# Altium PCB Plate.PcbDoc
Units mil, origin at the board's own origin, x right, y up, seen from the top; angles counter-clockwise.
Board outline 5245.11 x 4724.41 mil, 2 copper layers (Top Layer, Bottom Layer); 6 components, 2 nets, 24 pads, 0 vias.
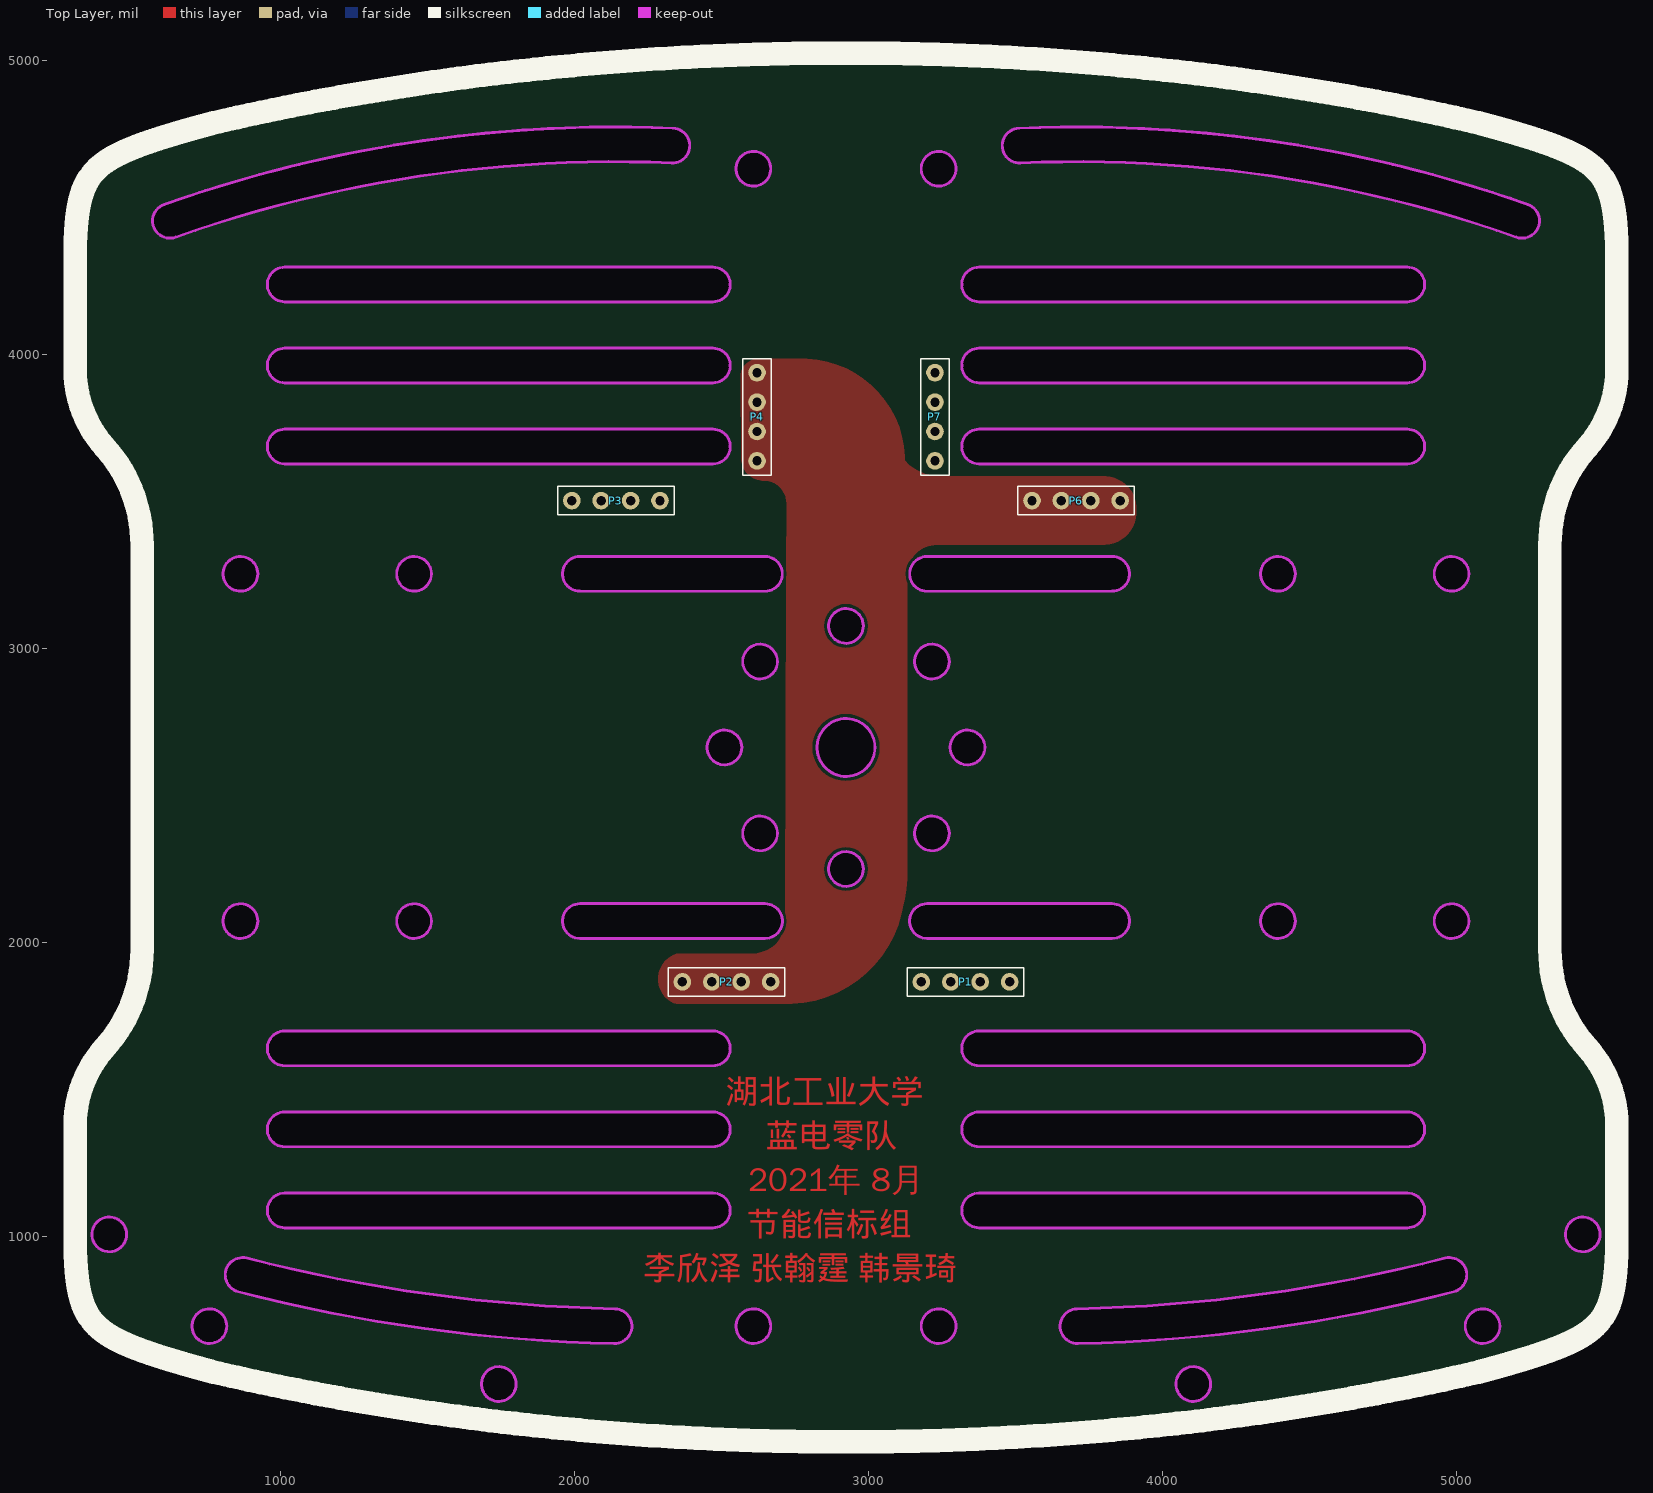
[diagram p0: Top Layer view]
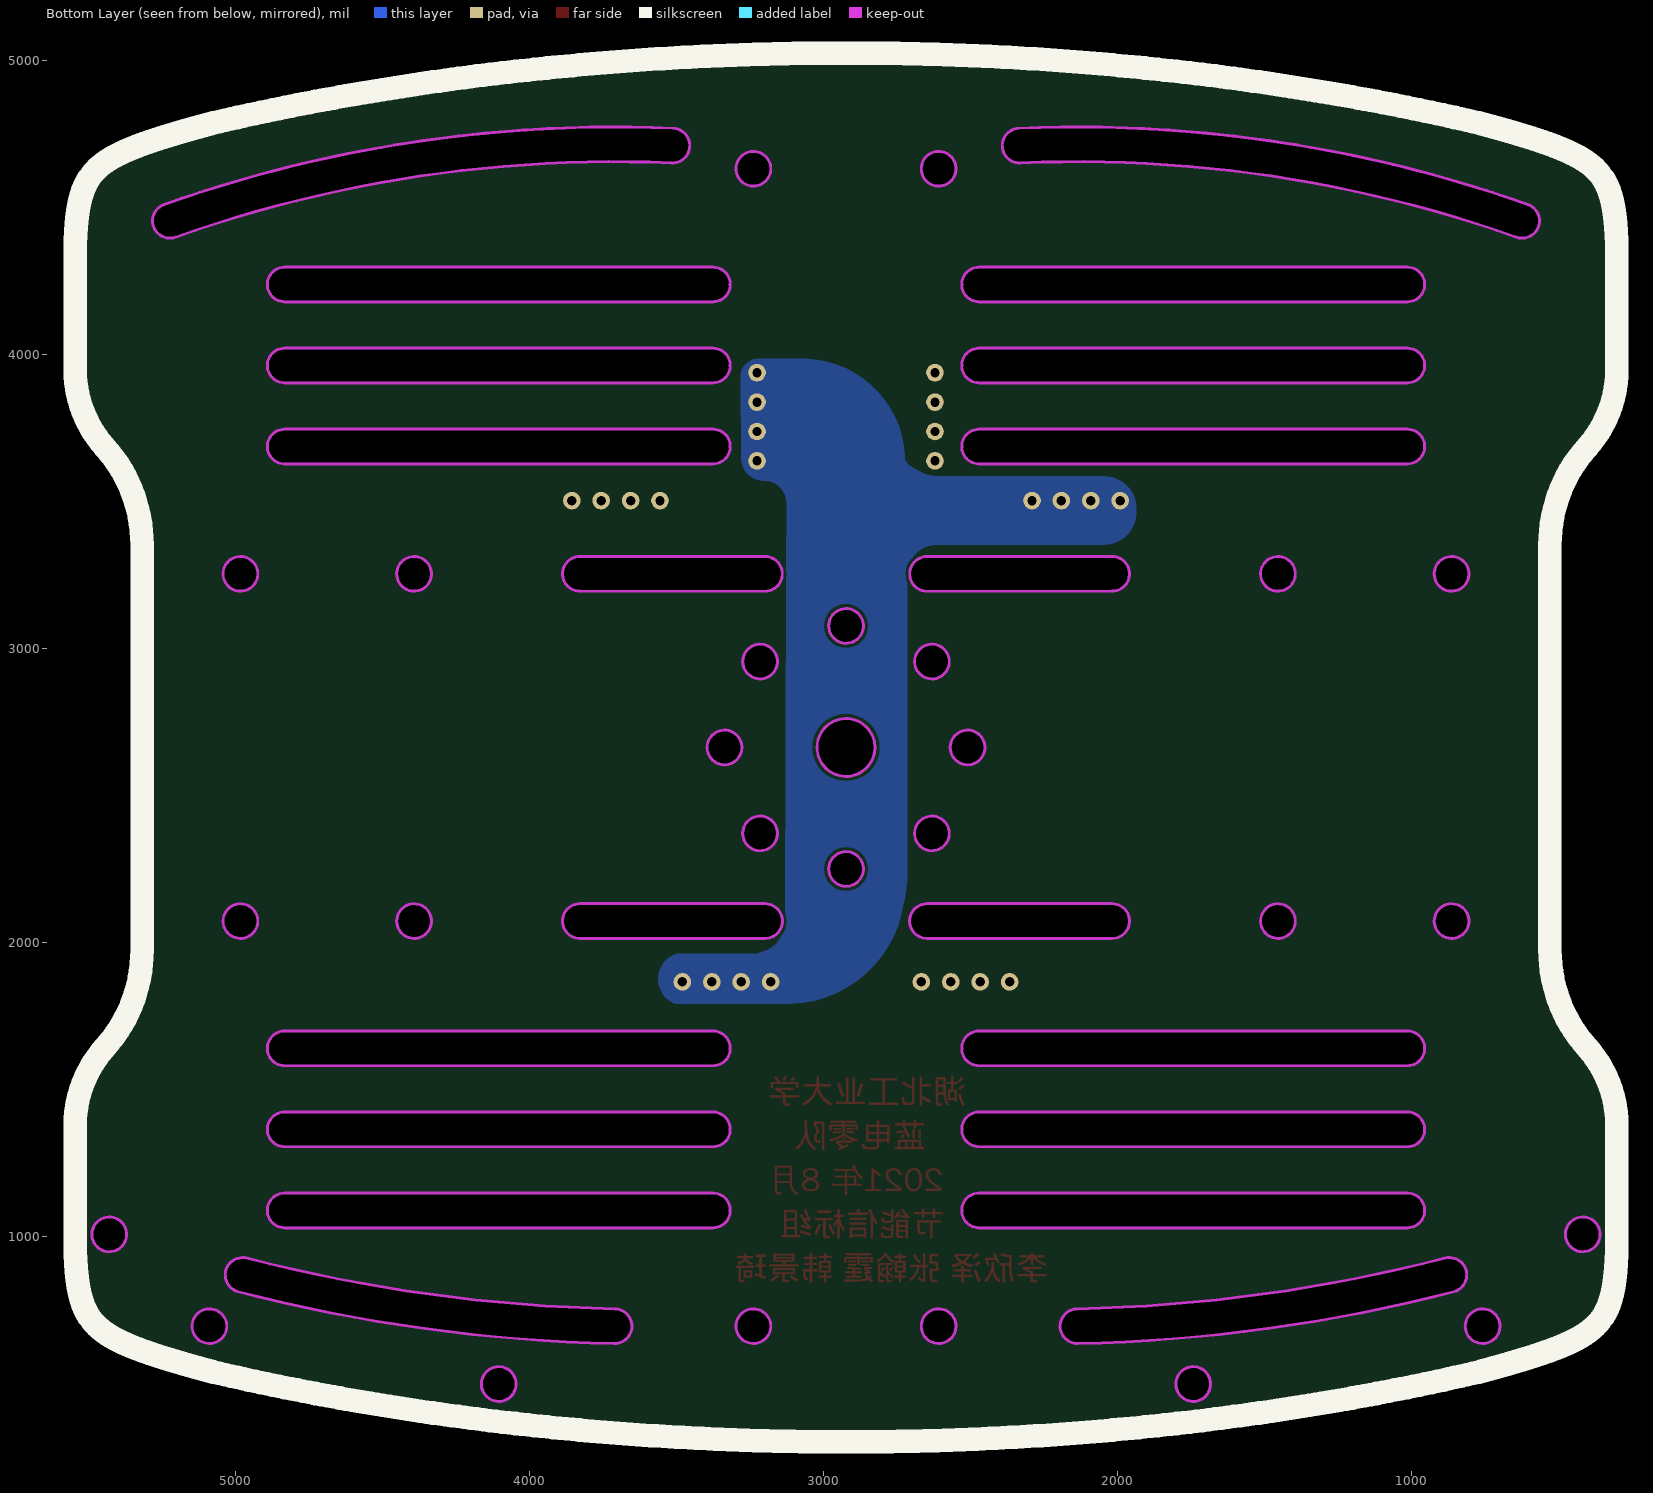
[diagram p1: Bottom Layer view, seen from below]
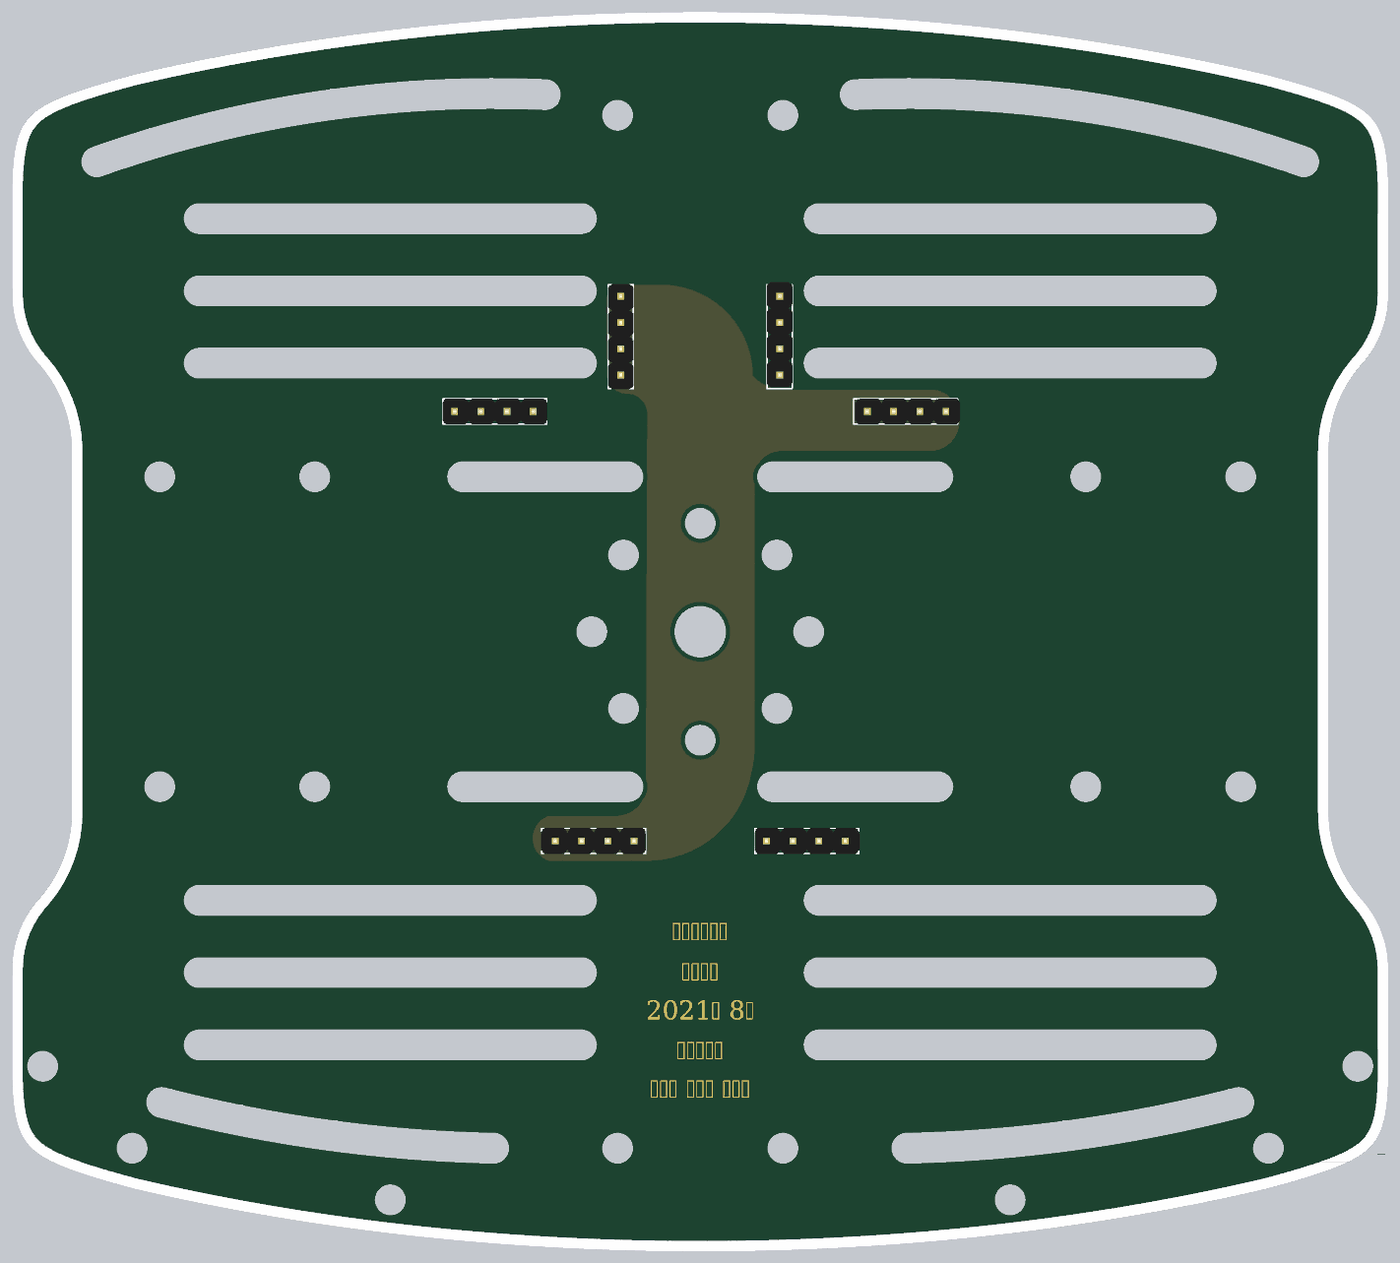
[diagram p2: 3D render of the assembled board from above, using the file's embedded part models]

## Layer stack, top to bottom
Top Solder: solder mask 0.4, Solder Resist, Dk 3.5
Top Layer: signal copper 1.4
Dielectric 1: dielectric 12.6, FR-4, Dk 4.8
Bottom Layer: signal copper 1.4
Bottom Solder: solder mask 0.4, Solder Resist, Dk 3.5

## Board outline
2373 vertices, not listed, extent 300.25,300.25 5545.36,5024.66
cut-out: 3515.92,4650.7 cw(c3710.2,188.11) 5202.85,4398.15 ccw(c5222.58,4453.81) 5242.32,4509.47 ccw(c3710.2,188.11) 3510.79,4768.7 ccw(c3513.35,4709.7)
cut-out: 642.76,4398.15 cw(c623.02,4453.81) 603.29,4509.47 cw(c2135.4,188.11) 2334.82,4768.7 cw(c2332.25,4709.7) 2329.68,4650.7 ccw(c2135.4,188.11)
cut-out: 3237.76,4571.9 cw(c3237.76,4630.96) 3178.71,4630.96 cw(c3237.76,4630.96) 3237.76,4690.01 cw(c3237.76,4630.96) 3296.82,4630.96 cw(c3237.76,4630.96)
cut-out: 2607.84,4571.9 cw(c2607.84,4630.96) 2548.79,4630.96 cw(c2607.84,4630.96) 2607.84,4690.01 cw(c2607.84,4630.96) 2666.9,4630.96 cw(c2607.84,4630.96)
cut-out: 1013.35,3627.02 2470.05,3627.02 ccw(c2470.05,3686.08) 2470.05,3745.13 1013.35,3745.13 ccw(c1013.35,3686.08)
cut-out: 1013.35,3902.61 cw(c1013.35,3961.67) 1013.35,4020.72 2470.05,4020.72 cw(c2470.05,3961.67) 2470.05,3902.61
cut-out: 1013.35,4178.2 cw(c1013.35,4237.26) 1013.35,4296.31 2470.05,4296.31 cw(c2470.05,4237.26) 2470.05,4178.2
cut-out: 3375.56,4178.2 4832.25,4178.2 ccw(c4832.25,4237.26) 4832.25,4296.31 3375.56,4296.31 ccw(c3375.56,4237.26)
cut-out: 3375.56,3902.61 cw(c3375.56,3961.67) 3375.56,4020.72 4832.25,4020.72 cw(c4832.25,3961.67) 4832.25,3902.61
cut-out: 3375.56,3627.02 4832.25,3627.02 ccw(c4832.25,3686.08) 4832.25,3745.13 3375.56,3745.13 ccw(c3375.56,3686.08)
cut-out: 2630.5,2895.71 cw(c2630.5,2954.76) 2571.44,2954.76 cw(c2630.5,2954.76) 2630.5,3013.82 cw(c2630.5,2954.76) 2689.55,2954.76 cw(c2630.5,2954.76)
cut-out: 2509.42,2603.4 cw(c2509.42,2662.45) 2450.36,2662.45 cw(c2509.42,2662.45) 2509.42,2721.51 cw(c2509.42,2662.45) 2568.47,2662.45 cw(c2509.42,2662.45)
cut-out: 2571.44,2370.15 ccw(c2630.5,2370.15) 2630.5,2311.09 ccw(c2630.5,2370.15) 2689.55,2370.15 ccw(c2630.5,2370.15) 2630.5,2429.2 ccw(c2630.5,2370.15)
cut-out: 2824.38,2662.45 ccw(c2922.8,2662.45) 2922.8,2564.03 ccw(c2922.8,2662.45) 3021.23,2662.45 ccw(c2922.8,2662.45) 2922.8,2760.88 ccw(c2922.8,2662.45)
cut-out: 3156.06,2370.15 ccw(c3215.11,2370.15) 3215.11,2311.09 ccw(c3215.11,2370.15) 3274.17,2370.15 ccw(c3215.11,2370.15) 3215.11,2429.2 ccw(c3215.11,2370.15)
cut-out: 2863.75,2249.07 ccw(c2922.8,2249.07) 2922.8,2190.01 ccw(c2922.8,2249.07) 2981.86,2249.07 ccw(c2922.8,2249.07) 2922.8,2308.12 ccw(c2922.8,2249.07)
cut-out: 2922.8,3016.78 cw(c2922.8,3075.84) 2863.75,3075.84 cw(c2922.8,3075.84) 2922.8,3134.89 cw(c2922.8,3075.84) 2981.86,3075.84 cw(c2922.8,3075.84)
cut-out: 3156.06,2954.76 ccw(c3215.11,2954.76) 3215.11,2895.71 ccw(c3215.11,2954.76) 3274.17,2954.76 ccw(c3215.11,2954.76) 3215.11,3013.82 ccw(c3215.11,2954.76)
cut-out: 3277.13,2662.45 ccw(c3336.19,2662.45) 3336.19,2603.4 ccw(c3336.19,2662.45) 3395.24,2662.45 ccw(c3336.19,2662.45) 3336.19,2721.51 ccw(c3336.19,2662.45)
cut-out: 4923.59,3253.01 ccw(c4982.65,3253.01) 4982.65,3193.95 ccw(c4982.65,3253.01) 5041.7,3253.01 ccw(c4982.65,3253.01) 4982.65,3312.06 ccw(c4982.65,3253.01)
cut-out: 4333.04,3253.01 ccw(c4392.09,3253.01) 4392.09,3193.95 ccw(c4392.09,3253.01) 4451.15,3253.01 ccw(c4392.09,3253.01) 4392.09,3312.06 ccw(c4392.09,3253.01)
cut-out: 3198.5,3193.78 cw(c3198.49,3252.84) 3198.47,3311.89 3828.3,3312.06 cw(c3828.32,3253.01) 3828.33,3193.95
cut-out: 2017.28,3193.95 2647.1,3193.78 ccw(c2647.12,3252.84) 2647.13,3311.89 2017.31,3312.06 ccw(c2017.29,3253.01)
cut-out: 862.96,3193.95 cw(c862.96,3253.01) 803.91,3253.01 cw(c862.96,3253.01) 862.96,3312.06 cw(c862.96,3253.01) 922.02,3253.01 cw(c862.96,3253.01)
cut-out: 1453.51,3193.95 cw(c1453.51,3253.01) 1394.46,3253.01 cw(c1453.51,3253.01) 1453.51,3312.06 cw(c1453.51,3253.01) 1512.57,3253.01 cw(c1453.51,3253.01)
cut-out: 1453.51,2012.85 cw(c1453.51,2071.9) 1394.46,2071.9 cw(c1453.51,2071.9) 1453.51,2130.96 cw(c1453.51,2071.9) 1512.57,2071.9 cw(c1453.51,2071.9)
cut-out: 862.96,2012.85 cw(c862.96,2071.9) 803.91,2071.9 cw(c862.96,2071.9) 862.96,2130.96 cw(c862.96,2071.9) 922.02,2071.9 cw(c862.96,2071.9)
cut-out: 2017.29,2012.85 cw(c2017.29,2071.9) 2017.29,2130.96 2647.21,2130.96 cw(c2647.21,2071.9) 2647.21,2012.85
cut-out: 3198.39,2012.85 3828.32,2012.85 ccw(c3828.32,2071.9) 3828.32,2130.96 3198.39,2130.96 ccw(c3198.39,2071.9)
cut-out: 4333.04,2071.9 ccw(c4392.09,2071.9) 4392.09,2012.85 ccw(c4392.09,2071.9) 4451.15,2071.9 ccw(c4392.09,2071.9) 4392.09,2130.96 ccw(c4392.09,2071.9)
cut-out: 4923.59,2071.9 ccw(c4982.65,2071.9) 4982.65,2012.85 ccw(c4982.65,2071.9) 5041.7,2071.9 ccw(c4982.65,2071.9) 4982.65,2130.96 ccw(c4982.65,2071.9)
cut-out: 3375.56,1579.78 cw(c3375.56,1638.83) 3375.56,1697.89 4832.25,1697.89 cw(c4832.25,1638.83) 4832.25,1579.78
cut-out: 3375.56,1304.19 cw(c3375.56,1363.24) 3375.56,1422.3 4832.25,1422.3 cw(c4832.25,1363.24) 4832.25,1304.19
cut-out: 3375.56,1028.6 cw(c3375.56,1087.65) 3375.56,1146.71 4832.25,1146.71 cw(c4832.25,1087.65) 4832.25,1028.6
cut-out: 5369.82,1006.2 ccw(c5428.88,1006.2) 5428.88,947.14 ccw(c5428.88,1006.2) 5487.93,1006.2 ccw(c5428.88,1006.2) 5428.88,1065.25 ccw(c5428.88,1006.2)
cut-out: 5029.1,693.95 ccw(c5088.16,693.95) 5088.16,634.9 ccw(c5088.16,693.95) 5147.21,693.95 ccw(c5088.16,693.95) 5088.16,753.01 ccw(c5088.16,693.95)
cut-out: 4044.85,497.1 ccw(c4103.91,497.1) 4103.91,438.04 ccw(c4103.91,497.1) 4162.96,497.1 ccw(c4103.91,497.1) 4103.91,556.15 ccw(c4103.91,497.1)
cut-out: 3711.45,634.91 cw(c3710.2,693.95) 3708.96,752.99 ccw(c3593.72,6221.2) 4960.61,925.33 cw(c4975.37,868.15) 4990.13,810.97 cw(c3593.73,6221.19)
cut-out: 3178.71,693.95 ccw(c3237.76,693.95) 3237.76,634.89 ccw(c3237.76,693.95) 3296.82,693.95 ccw(c3237.76,693.95) 3237.76,753.01 ccw(c3237.76,693.95)
cut-out: 1013.35,1579.78 2470.05,1579.78 ccw(c2470.05,1638.83) 2470.05,1697.89 1013.35,1697.89 ccw(c1013.35,1638.83)
cut-out: 1013.35,1304.19 cw(c1013.35,1363.24) 1013.35,1422.3 2470.05,1422.3 cw(c2470.05,1363.24) 2470.05,1304.19
cut-out: 1013.35,1028.6 cw(c1013.35,1087.65) 1013.35,1146.71 2470.05,1146.71 cw(c2470.05,1087.65) 2470.05,1028.6
cut-out: 855.48,810.97 ccw(c2251.88,6221.19) 2134.16,634.91 ccw(c2135.4,693.95) 2136.65,752.99 cw(c2251.88,6221.19) 885,925.33 ccw(c870.24,868.15)
cut-out: 2548.79,693.95 ccw(c2607.84,693.95) 2607.84,634.89 ccw(c2607.84,693.95) 2666.9,693.95 ccw(c2607.84,693.95) 2607.84,753.01 ccw(c2607.84,693.95)
cut-out: 1682.65,497.1 ccw(c1741.7,497.1) 1741.7,438.04 ccw(c1741.7,497.1) 1800.76,497.1 ccw(c1741.7,497.1) 1741.7,556.15 ccw(c1741.7,497.1)
cut-out: 416.73,947.14 cw(c416.73,1006.2) 357.68,1006.2 cw(c416.73,1006.2) 416.73,1065.25 cw(c416.73,1006.2) 475.79,1006.2 cw(c416.73,1006.2)
cut-out: 698.39,693.95 ccw(c757.45,693.95) 757.45,634.89 ccw(c757.45,693.95) 816.5,693.95 ccw(c757.45,693.95) 757.45,753.01 ccw(c757.45,693.95)

## Design rules (kind name [scope] priority, off if disabled: settings)
Clearance [All] p1: gap=10 ignorepadtopadclearanceinfootprint=TRUE except(0: Arc-Hole Track-Hole SMDPad-Hole THPad-Hole Via-Hole Fill-Hole Poly-Hole Region-Hole Text-Hole)
PolygonConnect [All] p1: connectstyle=Direct reliefconductorwidth=10 reliefentries=4 polygonreliefangle="90 Angle" airgapwidth=10
RoutingVias [All] p1: holewidth=28 width=50 viastyle="Through Hole" minholewidth=28 minwidth=50 maxholewidth=28 maxwidth=50
SolderMaskExpansion [All] p1: expansion=4 istentingtop=FALSE
Width [All] p1: maxlimit=10 minlimit=10 preferedwidth=10
30 further rules are at their usual default settings.

## Classes and differential pairs
component class Ver.4_Plate: P1 P2 P3 P4

## Components (designator, comment, footprint, x,y, rotation, side; value= is the part's Value field where it differs from the comment)
P1 "HDR1x4_2.54" HDR_1X4#1 3179.29,1865 r90 top locked
P2 "HDR1x4_2.54" HDR_1X4#1 2666.35,1865 r270 top locked
P3 "HDR1x4_2.54" HDR_1X4#1 1990.1,3502.2 r90 top locked
P4 "HDR1x4_2.54" HDR_1X4#1 2620.1,3937.2 r0 top locked
P6 "HDR1x4_2.54" HDR_1X4#2 3855.51,3502.2 r90 top locked (schematic designator P3)
P7 "HDR1x4_2.54" HDR_1X4#2 3225.51,3937.2 r180 top locked (schematic designator P4)

## Footprints (in the part's own frame and the unit in brackets; to place one, negate y for a bottom-side part, rotate by r counter-clockwise, add the part's x,y. Pads: shape width x height; smd on the part's side, far side on the other; paste and mask are expansions set on the pad)
HDR_1X4#1 [mil] "HDR_1X4_2.54_180"
  round 60 hole 32: 1(0,0) 2(0,-100) 3(0,-200) 4(0,-300)
  silkscreen extent -48,-348 48,48, body extent -49,-350 49,50, height 323
HDR_1X4#2 [mil] "HDR_1X4_2.54_180"
  round 60 hole 32: 1(0,0) 2(0,100) 3(0,200) 4(0,300)
  silkscreen extent -48,-48 48,348, body extent -49,-58 49,342, height 323

## Part data
P1 P2 P3 P4 P6 P7: "Header"

## Nets (pads, with @x,y where several pads share a name; then routed paths per layer and width w, separated by ;. In a path a pad name is that pad's centre, name@x,y a point inside that pad or via, vN(x,y) a via of type N, cw(c..) or ccw(c..) an arc to the next point about the centre after c; other vN are vias at no path point)
GND: P1.1 P1.2 P1.3 P1.4 P3.1 P3.2 P3.3 P3.4 P7.1 P7.2 P7.3 P7.4
VCC: P2.1 P2.2 P2.3 P2.4 P4.1 P4.2 P4.3 P4.4 P6.1 P6.2 P6.3 P6.4

## Polygon pours and split planes (outlines as drawn)
VCC on Top Layer "NONET_L-01_P-001" (solid, pour order 3): 2725.61,3749.5 2725.61,2089.2 cw(c2596.41,2089.2) 2596.41,1960 2345.16,1960 ccw(c2374.31,1875) 2345.16,1790 2688.58,1790 ccw(c2688.59,2232.02) 3130.61,2232.03 3130.61,3250.4 cw(c3231.64,3250.4) 3231.64,3351.43 3797.62,3351.43 ccw(c3797.62,3464.42) 3910.61,3464.42 3910.61,3475 ccw(c3800.61,3475) 3800.61,3585 3242.56,3585 cw(c3242.56,3745.61) 3081.95,3745.2
VCC on Top Layer "NONET_L-01_P-001" (solid, pour order 0): 2564.89,3924.77 2566.74,3646.42 ccw(c2643.68,3646.93) 2643.68,3570 cw(c2643.68,3493.14) 2720.54,3492.85 2715.35,2074.53 cw(c2595.26,2074.96) 2595.25,1954.87 2379.27,1954.87 ccw(c2379.27,1870.31) 2294.7,1870.3 ccw(c2375,1870.3) 2375,1790 2720,1790 ccw(c2720,2193.16) 3123.17,2193.17 3123.17,3636.03 ccw(c2774.2,3636.04) 2774.2,3985 2624.72,3985 ccw(c2624.72,3925.17)
GND on Bottom Layer "NONET_L-01_P-001" (solid, pour order 5): 3280.72,3924.77 3278.86,3646.42 cw(c3201.93,3646.93) 3201.93,3570 ccw(c3201.93,3493.14) 3125.07,3492.85 3130.26,2074.53 ccw(c3250.35,2074.96) 3250.35,1954.87 3466.34,1954.87 cw(c3466.34,1870.31) 3550.91,1870.3 cw(c3470.61,1870.3) 3470.61,1790 3125.61,1790 cw(c3125.61,2193.16) 2722.44,2193.17 2722.44,3636.03 cw(c3071.4,3636.04) 3071.41,3985 3220.89,3985 cw(c3220.89,3925.17)
GND on Bottom Layer "NONET_L-01_P-001" (solid, pour order 1): 3120,3749.5 3120,2089.2 ccw(c3249.2,2089.2) 3249.2,1960 3500.45,1960 cw(c3471.3,1875) 3500.45,1790 3157.03,1790 cw(c3157.02,2232.02) 2715,2232.03 2715,3250.4 ccw(c2613.97,3250.4) 2613.96,3351.43 2047.99,3351.43 cw(c2047.99,3464.42) 1935,3464.42 1935,3475 cw(c2045,3475) 2045,3585 2603.04,3585 ccw(c2603.04,3745.61) 2763.66,3745.2

## Keep-outs
Keep-Out Layer:
  drawing of 2484 lines, arcs and shapes, not listed

## Other copper
Top Layer:
  text "湖北工业大学" at 2513.72,1425 h140
  text "蓝电零队" at 2650.32,1275 h140
  text "2021年 8月" at 2590.7,1125 h140
  text "节能信标组" at 2584.42,975 h140
  text "李欣泽 张翰霆 韩景琦" at 2233.4,825 h140

## Silkscreen, mask and mechanical layers (free items; w line width, h text height)
Top Overlay:
  drawing of 2368 lines, arcs and shapes, not listed
Bottom Overlay:
  drawing of 2368 lines, arcs and shapes, not listed
Top Solder:
  text "湖北工业大学" at 2513.72,1425 h140
  text "蓝电零队" at 2650.32,1275 h140
  text "2021年 8月" at 2590.7,1125 h140
  text "节能信标组" at 2584.42,975 h140
  text "李欣泽 张翰霆 韩景琦" at 2233.4,825 h140
Mechanical 1:
  drawing of 2482 lines, arcs and shapes, not listed